# Altium PCB Sampler.PCBDOC (part 3 of 5) (continued)
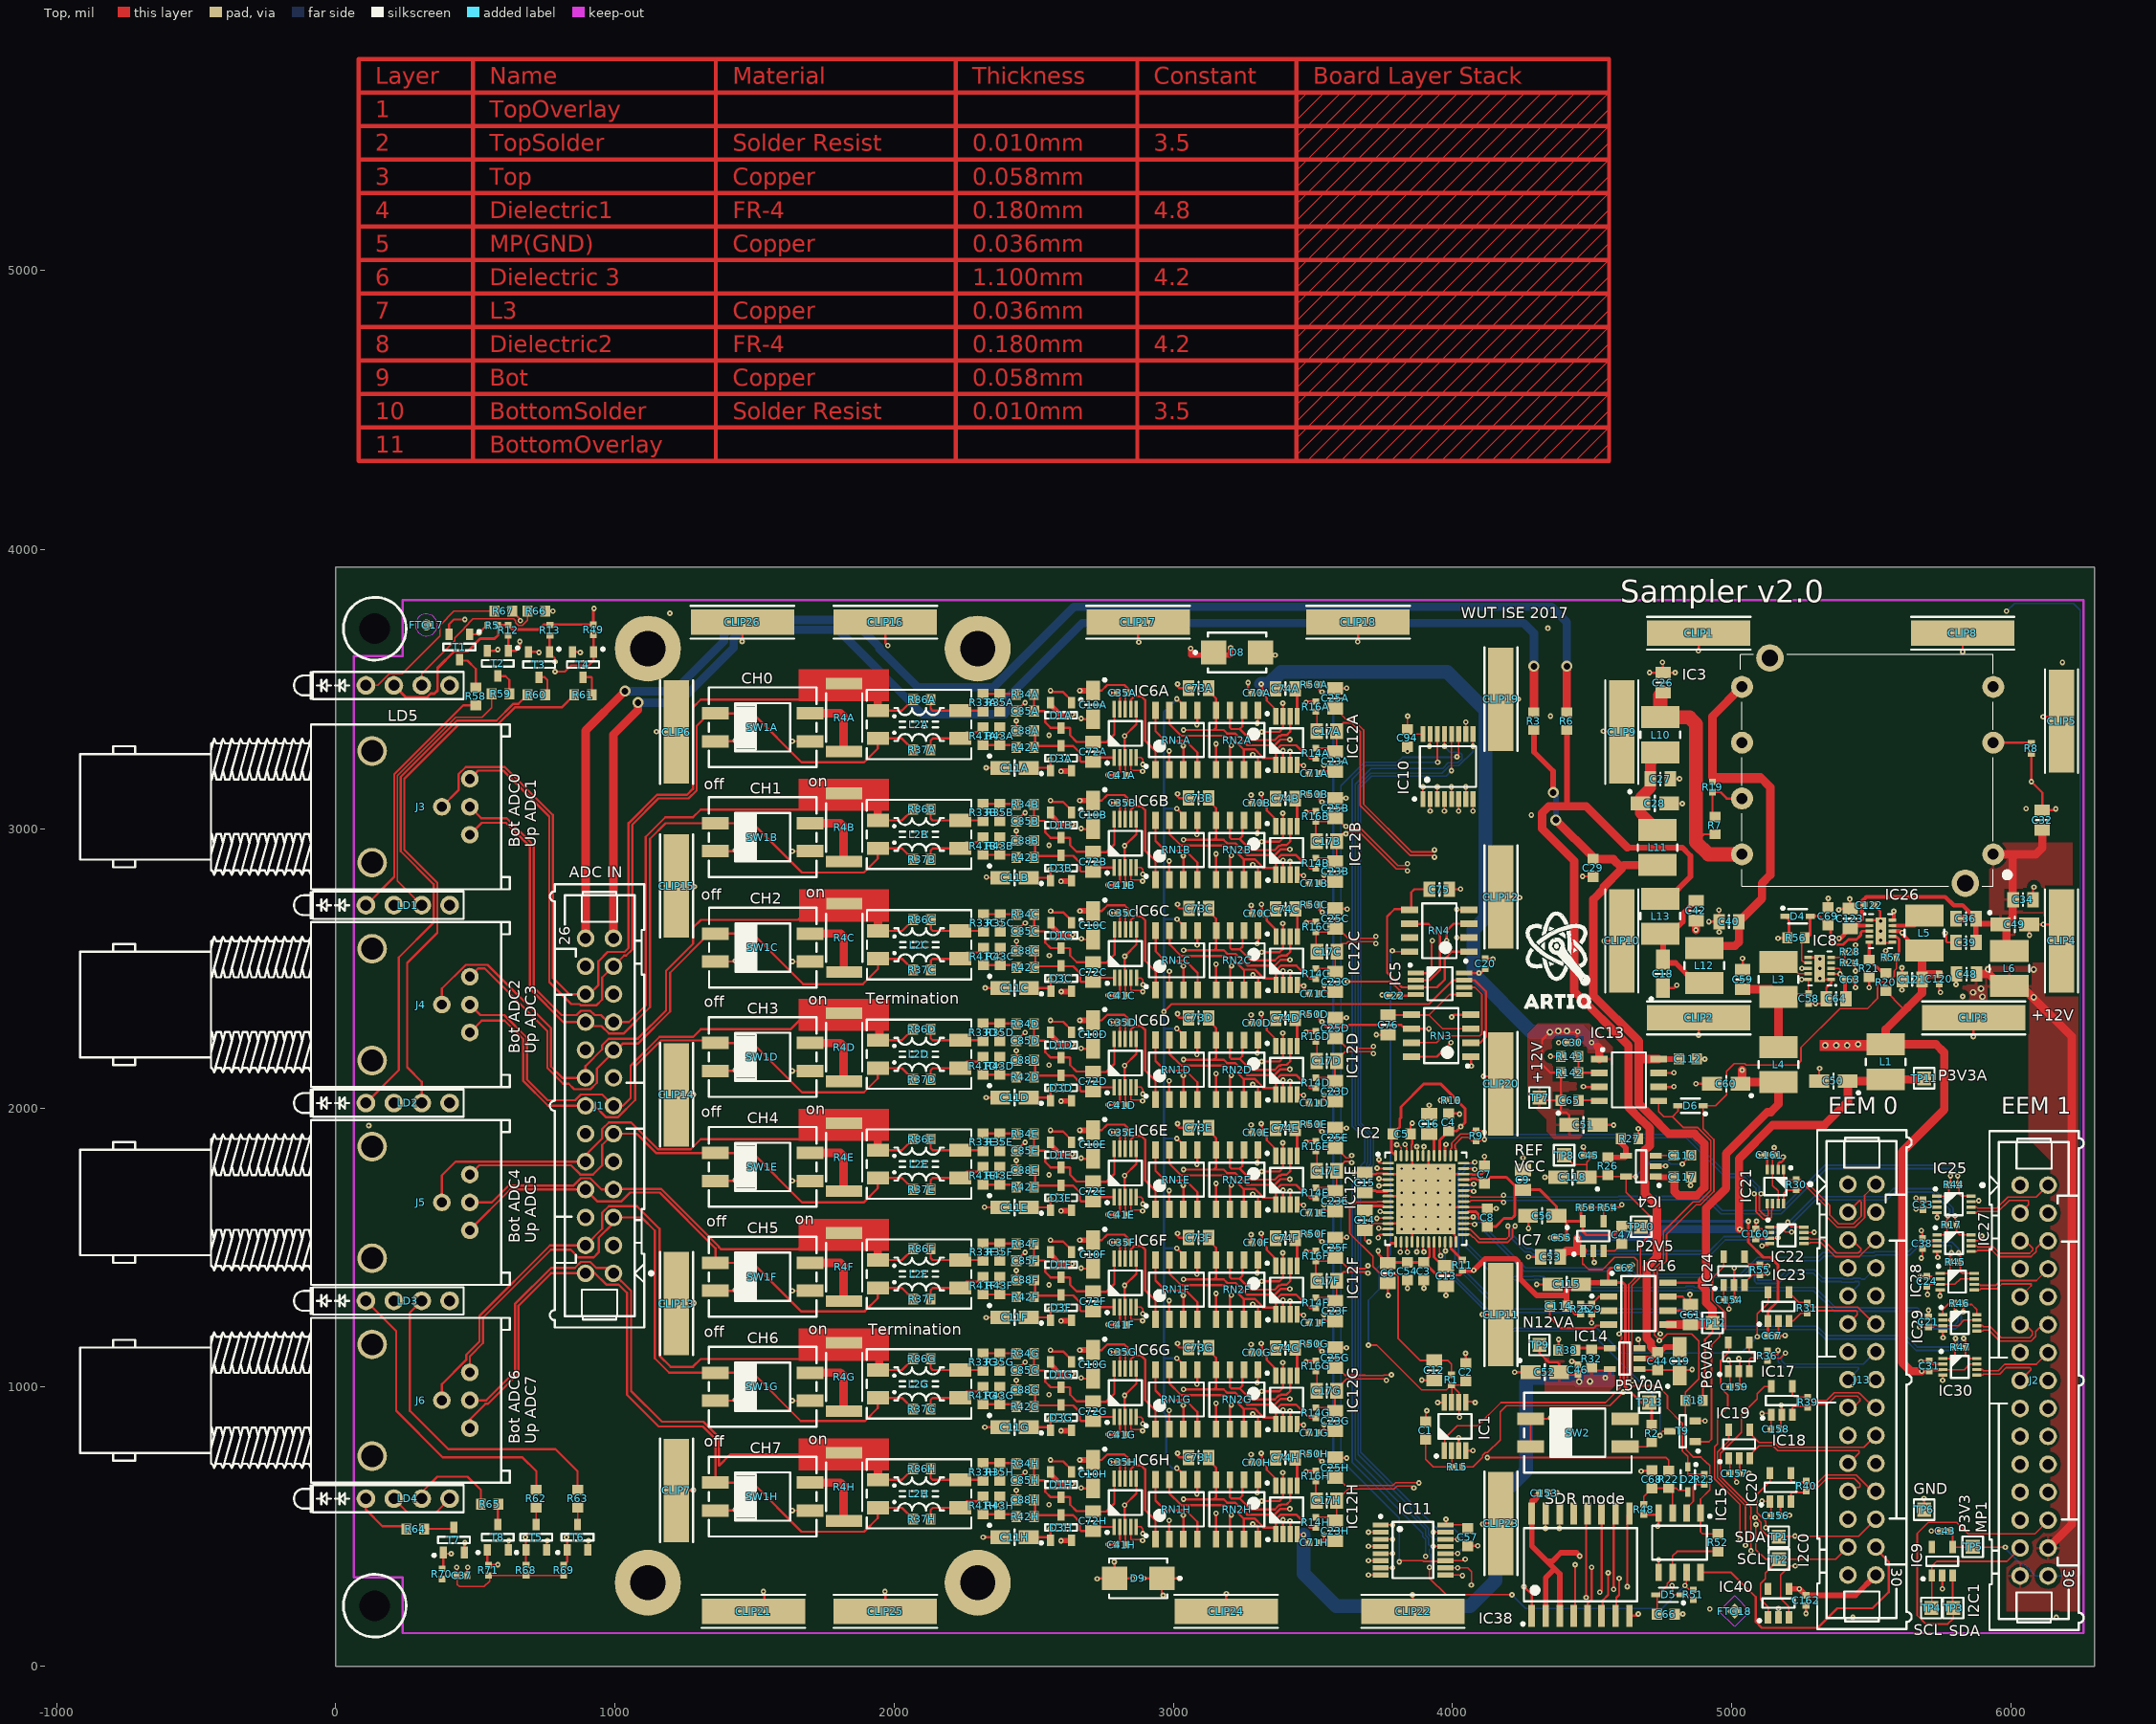
[diagram p0: Top view]
## Nets (pads, with @x,y where several pads share a name; then routed paths per layer and width w, separated by ;. In a path a pad name is that pad's centre, name@x,y a point inside that pad or via, vN(x,y) a via of type N, cw(c..) or ccw(c..) an arc to the next point about the centre after c; other vN are vias at no path point) (continued)
  Top w30: v1(4872.05,2637.8) C42.1@4872.05,2671.26 ; C36.1@5803.5,2678 v1(5833.7,2678)
  L3 w8: v1(5442.91,2583.66) v1@5442.91,2588.58
  other v1: 5433.56,175.44 6161.91,175.44 4921.75,204.97 2379.78,694.17 2469.21,695.59 4222.44,1053.15 2379.78,1087.87 2469.21,1089.29 2379.78,1481.57 2469.21,1482.99 3817.72,1566.35 3861.02,1566.35 3904.33,1566.35 3947.64,1566.35 3990.94,1566.35 3817.72,1609.66 3861.02,1609.66 3904.33,1609.66 3947.64,1609.66 3990.94,1609.66 3817.72,1652.97 3861.02,1652.97 3947.64,1652.97 3990.94,1652.97 3817.72,1696.28 3861.02,1696.28 3904.33,1696.28 3947.64,1696.28 3990.94,1696.28 3817.72,1739.58 3861.02,1739.58 3904.33,1739.58 3947.64,1739.58 3990.94,1739.58 3817.72,1782.89 3861.02,1782.89 3904.33,1782.89 3947.64,1782.89 3990.94,1782.89 2379.78,1875.27 2469.21,1876.69 118.6,1937.25 2379.78,2268.97 2469.21,2270.39 5827.27,2399.85 6116,2657.11 2380.28,2660.95 2469.71,2662.37 4281.99,3049.46 2379.78,3056.37 2469.21,3057.79 6054,3072.11 4350.89,3403.79 2379.78,3450.07 2469.21,3451.5 6184,3596.11 4341.04,3718.75 1197,3772
  other v3: 5314.96,2463.58 5314.96,2533.46
I2C0_SCL: IC38.14 IC40.1 J13.27 TP2.1 | length 1472.8
  Top w5: v1(4382.87,494.09) 4383.66,494.88 IC38.14@4383.66,547.24 ; v1(5086.61,507.87) 5086.61,418.31 5121.92,383 TP2.1@5169,383 ; IC40.1@5129.92,175.2 5129.92,212.6 5102.36,240.16 5102.36,296.26 5120.08,313.98 5120.08,334.08 TP2.1@5169,383 ; J13.27@5416,427 5372,383 TP2.1@5169,383
  L3 w5: v1(4382.87,494.09) 4717.6,494.09 4727.07,484.63 4947.22,484.63 4974.57,511.97 5040.2,511.97 5043.31,508.86 5085.63,508.86 v1(5086.61,507.87)
I2C0_SDA: IC38.15 IC40.3 J13.26 TP1.1 | length 1669.9
  Top w5: v1(4332.68,494.09) 4333.66,495.08 IC38.15@4333.66,547.24 ; v1(5083.58,532.56) 5087.52,532.56 5099.41,520.67 5099.41,519.6 5103.96,515.06 5103.96,490.61 5130.57,464 TP1.1@5168,464 5168,466 5455,466 J13.26@5516,527 ; IC40.3@5204.73,175.2 5204.73,213.58 5175.2,243.11 5175.2,326.77 5207.68,359.25 v1(5227.36,359.25)
  L3 w5: v1(4332.68,494.09) 4336.61,494.09 4361.83,519.31 4741.44,519.31 4743.03,517.72 4966.17,517.72 4973.67,525.22 5086.24,525.22 5083.58,527.87 v1(5083.58,532.56) ; v1(5226.38,466.54) 5227.36,465.55 v1(5227.36,359.25)
I2C1_SCL: IC9.1 J2.27 TP4.1 | length 493.6
  Top w6: TP4.1@5714.57,208.66 5716.54,210.63 IC9.1@5716.54,324.8 5716.54,358.27 5734.25,375.98 5985.04,375.98 J2.27@6032.68,423.62
I2C1_SDA: IC9.3 J2.26 TP3.1 | length 1121.8
  Top w6: IC9.3@5791.34,324.8 5791.34,210.63 TP3.1@5793.31,208.66 5793.31,171.26 5773.62,151.57 5694.88,151.57 5664.37,182.09 5664.37,476.38 5703.74,515.75 5805.12,515.75 5846.46,474.41 6085.63,474.41 6132.68,521.46 J2.26@6132.68,523.62
IN_0_N: C17A.2 C23A.2 IC2.47 R14A.2 | length 2010.5
  Top w6: R14A.2@3510.2,3289.22 3566.5,3289.22 C23A.2@3579.1,3276.62 3585.01,3282.53 C17A.2@3585.01,3349.46 3585.01,3356.66 3608.27,3379.92 3638.34,3379.92 3669.29,3348.97 3669.29,3083.66 3847.44,2905.51 3928.2,2905.51 v1(3935.04,2898.67) ; IC2.47@3894.49,1829.15 3894.49,1858.22 v1(3897.49,1861.22)
  L3 w6: v1(3897.49,1861.22) 3890.65,1868.06 3890.65,2261.17 3865.77,2286.04 3865.77,2665.97 3876.17,2676.37 3876.17,2875.98 3905.7,2905.51 3928.2,2905.51 v1(3935.04,2898.67)
IN_0_P: C17A.1 C25A.1 IC2.48 R16A.2 | length 2032.5
  Top w6: C17A.1@3514.14,3349.46 3514.14,3415.6 R16A.2@3510.2,3419.54 3522.8,3432.13 C25A.1@3579.1,3432.13 3619.31,3391.92 3643.31,3391.92 3681.29,3353.94 3681.29,3088.63 3852.41,2917.51 3928.2,2917.51 v1(3935.04,2924.35) ; v1(3871.8,1861.22) 3874.8,1858.22 IC2.48@3874.8,1829.15
  L3 w6: v1(3871.8,1861.22) 3878.65,1868.06 3878.65,2256.2 3857.28,2277.56 3853.77,2281.07 3853.77,2670.94 3857.28,2674.45 3864.17,2681.34 3864.17,2880.95 3900.73,2917.51 3928.2,2917.51 v1(3935.04,2924.35)
IN_1_N: C17B.2 C23B.2 IC2.50 R14B.2 | length 1551.6
  Top w6: R14B.2@3510.2,2895.52 3566.5,2895.52 C23B.2@3579.1,2882.92 3585.01,2888.83 C17B.2@3585.01,2955.76 3607.28,2978.03 3607.28,2984.25 3617.49,2984.25 3618.29,2983.45 v1(3618.29,2982.43) 3625.5,2989.64 3665.35,2989.64 3798.7,2856.3 3831.74,2856.3 v1(3838.58,2849.46) ; v1(3829.72,1869.5) 3829.72,1863.93 3835.43,1858.22 IC2.50@3835.43,1829.15
  L3 w6: v1(3829.72,1869.5) 3829.72,1872.05 3820.87,1880.91 3820.87,1901.68 3831.59,1912.4 3831.59,2248.37 3814.54,2265.42 3814.54,2854.89 3815.94,2856.3 3831.74,2856.3 v1(3838.58,2849.46)
IN_1_P: C17B.1 C25B.1 IC2.51 R16B.2 | length 1576.6
  Top w6: C17B.1@3514.14,2955.76 3510.2,2959.69 R16B.2@3510.2,3025.83 3560.28,3025.83 3572.88,3038.43 C25B.1@3579.1,3038.43 3586.57,3038.43 3614.17,3010.83 3616.5,3010.83 v1(3618.47,3008.86) 3625.69,3001.64 3670.32,3001.64 3803.67,2868.3 3831.74,2868.3 v1(3838.58,2875.14) ; v1(3800.2,1868.11) 3805.86,1868.11 3810.88,1863.09 3810.88,1861.7 3815.75,1856.83 IC2.51@3815.75,1829.15
  L3 w6: v1(3800.2,1868.11) 3808.87,1876.78 3808.87,1906.65 3819.59,1917.37 3819.59,2243.4 3802.54,2260.45 3802.54,2859.86 3810.97,2868.3 3831.74,2868.3 v1(3838.58,2875.14)
IN_2_N: C17C.2 C23C.2 IC2.1 R14C.2 | length 1252
  Top w6: R14C.2@3510.7,2500.09 3567,2500.09 C23C.2@3579.6,2487.5 3579.6,2554.43 C17C.2@3585.5,2560.33 3585.5,2571.72 3602.36,2588.58 3618.97,2588.58 3626.25,2595.87 3718.55,2595.87 v1(3725.39,2589.03) ; v1(3736.22,1814.96) 3736.22,1803.61 3736.45,1803.38 3737.32,1803.38 3738.12,1802.57 IC2.1@3769.49,1802.57
  L3 w6: v1(3725.39,2589.03) 3732.24,2595.87 3749.02,2595.87 3750.98,2593.9 3750.98,2433.82 3767.72,2417.08 3767.72,2389.76 3758.86,2380.91 3755.34,2377.39 3755.34,1854.97 3777.62,1832.69 3777.62,1810.71 3765.65,1798.73 3746.06,1798.73 3742.22,1802.57 3738.12,1802.57 3737.32,1803.38 3736.45,1803.38 3736.22,1803.61 v1(3736.22,1814.96)
IN_2_P: C17C.1 C25C.1 IC2.2 R16C.2 | length 1281
  Top w6: C17C.1@3514.64,2560.33 3510.7,2564.27 R16C.2@3510.7,2630.41 3567,2630.41 C25C.1@3579.6,2643.01 3591.12,2643.01 3626.25,2607.87 3718.55,2607.87 v1(3725.39,2614.71) ; v1(3729.51,1784.54) 3735.61,1784.54 3737.25,1782.89 IC2.2@3769.49,1782.89
  L3 w6: v1(3725.39,2614.71) 3732.24,2607.87 3753.99,2607.87 3762.98,2598.87 3762.98,2438.79 3779.72,2422.06 3779.72,2384.79 3767.34,2372.42 3767.34,1859.94 3789.69,1837.6 3789.69,1805.8 3770.62,1786.73 3741.09,1786.73 3737.25,1790.57 3730.45,1783.77 3729.68,1784.54 v1(3729.51,1784.54)
IN_3_N: C17D.2 C23D.2 IC2.4 R14D.2 | length 851.6
  Top w6: R14D.2@3510.2,2108.12 3566.5,2108.12 C23D.2@3579.1,2095.52 3579.1,2162.45 C17D.2@3585.01,2168.35 3585.01,2171.62 3614.97,2201.58 3709.69,2201.58 v1(3716.54,2194.74) ; v1(3736.22,1746.52) 3739.22,1743.52 IC2.4@3769.49,1743.52
  L3 w6: v1(3716.54,2194.74) 3709.69,2201.58 3708.66,2201.58 3695.87,2188.79 3695.87,1745.58 3701.77,1739.68 3729.38,1739.68 v1(3736.22,1746.52)
IN_3_P: C17D.1 C25D.1 IC2.5 R16D.2 | length 893.5
  Top w6: C17D.1@3514.14,2168.35 3514.14,2234.5 R16D.2@3510.2,2238.43 3522.8,2251.03 C25D.1@3579.1,2251.03 3584.6,2251.03 3622.05,2213.58 3709.69,2213.58 v1(3716.54,2220.43) ; v1(3736.22,1720.83) 3739.22,1723.83 IC2.5@3769.49,1723.83
  L3 w6: v1(3716.54,2220.43) 3709.69,2213.58 3703.69,2213.58 3683.87,2193.76 3683.87,1740.61 3696.8,1727.68 3729.38,1727.68 v1(3736.22,1720.83)
IN_4_N: C17E.2 C23E.2 IC2.10 R14E.2 | length 513.1
  Top w6: R14E.2@3510.2,1714.42 3566.5,1714.42 C23E.2@3579.1,1701.82 3585.01,1707.72 C17E.2@3585.01,1774.65 3585.01,1778.91 3614.17,1808.07 ; 3613.14,1808.07 3614.17,1808.07 ; v1(3638.78,1804.18) 3634.89,1808.07 3614.17,1808.07
  L3 w6: v1(3638.78,1804.18) 3631.94,1811.02 3617.13,1811.02 3600.27,1794.17 3600.27,1735.87 3707.12,1629.02 v1(3740.34,1629.02)
IN_4_P: C17E.1 C25E.1 IC2.11 R16E.2 | length 590.6
  Top w6: C17E.1@3514.14,1774.65 3514.14,1840.8 R16E.2@3510.2,1844.73 3522.8,1857.33 C25E.1@3579.1,1857.33 3583.61,1857.33 3619.09,1821.85 3619.09,1820.87 3628.82,1820.87 3637.82,1829.87 v1(3638.78,1829.87) ; v1(3728.53,1604.41) 3729.84,1605.72 IC2.11@3769.49,1605.72
  L3 w6: v1(3638.78,1829.87) 3631.94,1823.02 3612.16,1823.02 3588.27,1799.14 3588.27,1730.9 3709.6,1609.57 3713.58,1609.57 3718.74,1604.41 v1(3728.53,1604.41)
IN_5_N: C17F.2 C23F.2 IC2.13 R14F.2 | length 586.1
  Top w6: R14F.2@3510.2,1320.72 3566.5,1320.72 C23F.2@3579.1,1308.12 3585.01,1314.02 C17F.2@3585.01,1380.95 3585.01,1389.14 3608.08,1412.21 3690.99,1412.21 3692.17,1413.39 v1(3697.03,1408.53) ; v1(3735.24,1569.35) 3738.24,1566.35 IC2.13@3769.49,1566.35
  L3 w6: v1@3692.17,1413.39 3693.95,1415.17 3747.1,1415.17 3789.56,1457.63 3789.56,1547.41 3774.46,1562.51 3742.08,1562.51 v1(3735.24,1569.35)
IN_5_P: C17F.1 C25F.1 IC2.14 R16F.2 | length 564.2
  Top w6: C17F.1@3514.14,1380.95 3510.2,1384.89 R16F.2@3510.2,1451.03 3566.5,1451.03 C25F.1@3579.1,1463.63 3587.55,1463.63 3626.97,1424.21 3686.02,1424.21 v1(3696.85,1435.04) ; v1(3734.25,1535.43) 3734.25,1542.69 3738.24,1546.67 IC2.14@3769.49,1546.67
  L3 w6: v1(3696.85,1435.04) 3702.76,1435.04 3710.63,1427.17 3742.13,1427.17 3777.56,1462.6 3777.56,1542.44 3769.49,1550.51 3742.08,1550.51 3734.25,1542.69 v1(3734.25,1535.43)
IN_6_N: C17G.2 C23G.2 IC2.16 R14G.2 | length 888.4
  Top w6: R14G.2@3510.2,927.02 3566.5,927.02 C23G.2@3579.1,914.42 3579.1,981.35 C17G.2@3585.01,987.25 3585.01,993.47 3620.87,1029.34 3687.99,1029.34 3688.48,1029.83 3757.8,1029.83 v1(3762.98,1024.66) ; v1(3812.75,1483.27) 3815.75,1486.27 IC2.16@3815.75,1520.09
  L3 w6: v1(3762.98,1024.66) 3762.98,1034.87 3748.83,1049.02 3745.31,1052.54 3745.31,1106.53 3748.83,1110.05 3790.17,1151.39 3790.17,1374.24 3819.59,1403.67 3819.59,1476.43 v1(3812.75,1483.27)
IN_6_P: C17G.1 C25G.1 IC2.17 R16G.2 | length 886.4
  Top w6: C17G.1@3514.14,987.25 3514.14,1053.39 R16G.2@3510.2,1057.33 3522.8,1069.93 C25G.1@3579.1,1069.93 3587.55,1069.93 3615.16,1042.32 3687.99,1042.32 3688.48,1041.83 3752.95,1041.83 3754.62,1043.5 3779.85,1043.5 v1(3780.7,1044.34) ; IC2.17@3835.43,1520.09 3835.43,1486.27 v1(3838.43,1483.27)
  L3 w6: v1(3780.7,1044.34) 3770.48,1044.34 3757.31,1057.51 3757.31,1101.56 3802.17,1146.42 3802.17,1369.27 3831.59,1398.7 3831.59,1476.43 v1(3838.43,1483.27)
IN_7_N: C17H.2 C23H.2 IC2.19 R14H.2 | length 1381.1
  Top w6: R14H.2@3510.2,533.31 3566.5,533.31 C23H.2@3579.1,520.72 3585.01,526.62 C17H.2@3585.01,593.55 3626.56,635.11 3790.86,635.11 3801.37,645.62 3854.38,645.62 v1(3861.22,638.78) ; v1(3871.8,1484.25) 3874.8,1487.25 IC2.19@3874.8,1520.09
  L3 w6: v1(3861.22,638.78) 3861.22,648.46 3814.77,694.91 3814.77,1013.59 3857.09,1055.91 3857.09,1390.56 3878.65,1412.11 3878.65,1477.41 v1(3871.8,1484.25)
IN_7_P: C17H.1 C25H.1 IC2.20 R16H.2 | length 1384
  Top w6: C17H.1@3514.14,593.55 3510.2,597.49 R16H.2@3510.2,663.63 3522.8,676.23 C25H.1@3579.1,676.23 3582.1,673.23 3590.55,673.23 3616.67,647.11 3785.89,647.11 3796.4,657.62 3869.03,657.62 3869.71,656.94 v1(3879.38,656.94) ; IC2.20@3894.49,1520.09 3894.49,1487.25 v1(3897.49,1484.25)
  L3 w6: v1(3879.38,656.94) 3869.71,656.94 3826.77,699.88 3826.77,1008.62 3869.09,1050.94 3869.09,1385.59 3890.65,1407.14 3890.65,1477.41 v1(3897.49,1484.25)
N12V0A: C11A.2 C11B.2 C11C.2 C11D.2 C11E.2 C11F.2 C11G.2 C11H.2 C22.2 C41A.2 C41B.2 C41C.2 C41D.2 C41E.2 C41F.2 C41G.2 C41H.2 C46.2 C52.2 C71A.2 C71B.2 C71C.2 C71D.2 C71E.2 C71F.2 C71G.2 C71H.2 D1A.1 D1B.1 D1C.1 D1D.1 D1E.1 D1F.1 D1G.1 D1H.1 D3A.1 D3B.1 D3C.1 D3D.1 D3E.1 D3F.1 D3G.1 D3H.1 D9.2 IC5.4 IC6A.3 IC6A.6 IC6B.3 IC6B.6 IC6C.3 IC6C.6 IC6D.3 IC6D.6 IC6E.3 IC6E.6 IC6F.3 IC6F.6 IC6G.3 IC6G.6 IC6H.3 IC6H.6 IC12A.4 IC12B.4 IC12C.4 IC12D.4 IC12E.4 IC12F.4 IC12G.4 IC12H.4 IC14.5 R32.2 TP9.1 | length 9462.5
  Top w8: C11H.2@2482.28,462.6 2549.82,462.6 D3H.1@2560.6,451.82 2560.6,491.19 v1(2559.06,492.73) ; C11G.2@2482.28,856.3 2549.82,856.3 D3G.1@2560.6,845.52 2560.6,884.89 v1(2559.06,886.43) ; C11F.2@2482.28,1250 2549.82,1250 D3F.1@2560.6,1239.22 2560.6,1278.59 v1(2559.06,1280.13) ; C11E.2@2482.28,1643.7 2549.82,1643.7 D3E.1@2560.6,1632.92 2560.6,1672.29 v1(2559.06,1673.83) ; C11D.2@2482.28,2037.4 2549.82,2037.4 D3D.1@2560.6,2026.62 2560.6,2065.99 v1(2559.06,2067.54) ; C11B.2@2482.28,2824.8 2549.82,2824.8 D3B.1@2560.6,2814.02 2560.6,2853.39 v1(2559.06,2854.94) ; C11A.2@2482.28,3218.5 2549.82,3218.5 D3A.1@2560.6,3207.72 2560.6,3247.09 v1(2559.06,3248.64) ; C11C.2@2482.78,2429.38 2550.31,2429.38 D3C.1@2561.09,2418.6 2561.09,2457.97 v1(2559.55,2459.51) ; v1(2560,739.09) 2565,734.09 2605,734.09 2635.4,703.69 D1H.1@2635.4,699.24 ; v1(2560,1132.8) 2565,1127.8 2605,1127.8 2635.4,1097.39 D1G.1@2635.4,1092.95 ; v1(2560,1526.5) 2565,1521.5 2605,1521.5 2635.4,1491.09 D1F.1@2635.4,1486.65 ; v1(2560,1920.2) 2565,1915.2 2605,1915.2 2635.4,1884.79 D1E.1@2635.4,1880.35 ; v1(2560,2313.9) 2565,2308.9 2605,2308.9 2635.4,2278.5 D1D.1@2635.4,2274.05 ; v1(2560,3101.3) 2565,3096.3 2605,3096.3 2635.4,3065.9 D1B.1@2635.4,3061.45 ; v1(2560,3495) 2565,3490 2605,3490 2635.4,3459.6 D1A.1@2635.4,3455.15 ; v1(2560.49,2705.87) 2565.49,2700.87 2605.49,2700.87 2635.9,2670.47 D1C.1@2635.9,2666.03 ; D1H.1@2635.4,696.37 D1H.1@2635.4,699.24 ; D1G.1@2635.4,1090.07 D1G.1@2635.4,1092.95 ; D1F.1@2635.4,1483.77 D1F.1@2635.4,1486.65 ; D1E.1@2635.4,1877.47 D1E.1@2635.4,1880.35 ; D1D.1@2635.4,2271.17 D1D.1@2635.4,2274.05 ; D1B.1@2635.4,3058.57 D1B.1@2635.4,3061.45 ; D1A.1@2635.4,3452.28 D1A.1@2635.4,3455.15 ; D1C.1@2635.9,2663.15 D1C.1@2635.9,2666.03 ; D1H.1@2638.23,701.09 2635.89,698.76 D1H.1@2635.4,699.24 ; D1G.1@2638.23,1094.8 2635.89,1092.46 D1G.1@2635.4,1092.95 ; D1F.1@2638.23,1488.5 2635.89,1486.16 D1F.1@2635.4,1486.65 ; D1E.1@2638.23,1882.2 2635.89,1879.86 D1E.1@2635.4,1880.35 ; D1D.1@2638.23,2275.9 2635.89,2273.56 D1D.1@2635.4,2274.05 ; D1B.1@2638.23,3063.3 2635.89,3060.96 D1B.1@2635.4,3061.45 ; D1A.1@2638.23,3457 2635.89,3454.66 D1A.1@2635.4,3455.15 ; D1C.1@2638.72,2667.87 2636.38,2665.54 D1C.1@2635.9,2666.03 ; v1(2726.87,313.24) 2728.59,314.96 D9.2@2789.37,314.96 ; v1(2788.39,374.02) 2788.39,375 2789.37,374.02 D9.2@2789.37,314.96 ; C41H.2@2825.64,441.66 C41H.2@2828,439.3 ; C41G.2@2825.64,835.36 C41G.2@2828,833 ; C41F.2@2825.64,1229.06 C41F.2@2828,1226.7 ; C41E.2@2825.64,1622.76 C41E.2@2828,1620.4 ; C41D.2@2825.64,2016.47 C41D.2@2828,2014.1 ; C41B.2@2825.64,2803.87 C41B.2@2828,2801.5 ; C41A.2@2825.64,3197.57 C41A.2@2828,3195.2 ; C41C.2@2826.13,2408.44 C41C.2@2828.49,2406.08 ; C41H.2@2831.54,435.76 C41H.2@2828,439.3 ; C41G.2@2831.54,829.46 C41G.2@2828,833 ; C41F.2@2831.54,1223.16 C41F.2@2828,1226.7 ; C41E.2@2831.54,1616.86 C41E.2@2828,1620.4 ; C41D.2@2831.54,2010.56 C41D.2@2828,2014.1 ; C41B.2@2831.54,2797.96 C41B.2@2828,2801.5 ; C41A.2@2831.54,3191.66 C41A.2@2828,3195.2 ; C41C.2@2832.04,2402.54 C41C.2@2828.49,2406.08 ; v1(2854.33,314.96) D9.2@2789.37,314.96 ; IC6H.6@2867.37,672.71 2867.37,618.76 v1(2825.64,577.02) 2825.64,544.09 2826.1,543.63 2826.1,501.38 IC6H.3@2828,499.48 C41H.2@2828,439.3 ; IC6G.6@2867.37,1066.41 2867.37,1012.46 v1(2825.64,970.72) 2825.64,937.8 2826.1,937.33 2826.1,895.08 IC6G.3@2828,893.18 C41G.2@2828,833 ; IC6F.6@2867.37,1460.11 2867.37,1406.16 v1(2825.64,1364.42) 2825.64,1331.5 2826.1,1331.03 2826.1,1288.78 IC6F.3@2828,1286.88 C41F.2@2828,1226.7 ; IC6E.6@2867.37,1853.81 2867.37,1799.86 v1(2825.64,1758.12) 2825.64,1725.2 2826.1,1724.73 2826.1,1682.48 IC6E.3@2828,1680.58 C41E.2@2828,1620.4 ; IC6D.6@2867.37,2247.51 2867.37,2193.56 v1(2825.64,2151.83) 2825.64,2118.9 2826.1,2118.43 2826.1,2076.18 IC6D.3@2828,2074.28 C41D.2@2828,2014.1 ; IC6B.6@2867.37,3034.92 2867.37,2980.96 v1(2825.64,2939.23) 2825.64,2906.3 2826.1,2905.84 2826.1,2863.59 IC6B.3@2828,2861.69 C41B.2@2828,2801.5 ; IC6A.6@2867.37,3428.61 2867.37,3374.66 v1(2825.64,3332.93) 2825.64,3300 2826.1,3299.54 2826.1,3257.29 IC6A.3@2828,3255.39 C41A.2@2828,3195.2 ; IC6C.6@2867.86,2639.49 2867.86,2585.54 v1(2826.13,2543.8) 2826.13,2510.87 2826.59,2510.41 2826.59,2468.16 IC6C.3@2828.49,2466.26 C41C.2@2828.49,2406.08 ; IC12H.4@3443.9,473.57 3463.44,473.57 v1(3466.54,470.47) 3466.54,462.6 C71H.2@3486.22,442.91 ; IC12G.4@3443.9,867.27 3463.44,867.27 v1(3466.54,864.17) 3466.54,856.3 C71G.2@3486.22,836.61 ; IC12F.4@3443.9,1260.97 3463.44,1260.97 v1(3466.54,1257.87) 3466.54,1250 C71F.2@3486.22,1230.31 ; IC12E.4@3443.9,1654.67 3463.44,1654.67 v1(3466.54,1651.57) 3466.54,1643.7 C71E.2@3486.22,1624.02 ; IC12D.4@3443.9,2048.37 3463.44,2048.37 v1(3466.54,2045.28) 3466.54,2037.4 C71D.2@3486.22,2017.72 ; IC12B.4@3443.9,2835.77 3463.44,2835.77 v1(3466.54,2832.68) 3466.54,2824.8 C71B.2@3486.22,2805.12 ; IC12A.4@3443.9,3229.47 3463.44,3229.47 v1(3466.54,3226.38) 3466.54,3218.5 C71A.2@3486.22,3198.82 ; IC12C.4@3444.39,2440.35 3463.93,2440.35 v1(3467.03,2437.25) 3467.03,2429.38 C71C.2@3486.71,2409.69 ; v1(3623.03,2452.76) 3779.53,2452.76 3811.02,2421.26 3810.04,2420.28 C22.2@3810.04,2402.56 3864.17,2402.56 IC5.4@3868.11,2406.5 ; TP9.1@4311.02,1151.57 4311.02,1122.05 4344.49,1088.58 4375.98,1088.58 4381.89,1082.68 C52.2@4381.89,1053.15 4389.76,1045.28 C46.2@4448.82,1045.28 4463.05,1059.5 4552.53,1059.5 IC14.5@4557.99,1064.96
  L3 w8: v1(2555,579.09) 2557.07,577.02 v1(2825.64,577.02) ; v1(2555,972.8) 2557.07,970.72 v1(2825.64,970.72) ; v1(2555,1366.5) 2557.07,1364.42 v1(2825.64,1364.42) ; v1(2555,1760.2) 2557.07,1758.12 v1(2825.64,1758.12) ; v1(2555,2153.9) 2557.07,2151.83 v1(2825.64,2151.83) ; v1(2555,2941.3) 2557.07,2939.23 v1(2825.64,2939.23) ; v1(2555,3335) 2557.07,3332.93 v1(2825.64,3332.93) ; v1(2555.49,2545.87) 2557.57,2543.8 v1(2826.13,2543.8) ; v1(3467.03,2437.25) 3487.84,2458.06 3617.72,2458.06 v1(3623.03,2452.76)
  Bot w50: v1(3466.54,470.47) 3466.54,332.68 3583.15,216.06 4063.25,216.06 4153.54,306.36 4153.54,590.55 4263.78,700.79 4263.78,1017.72 4279.53,1033.46 v1(4547.24,1033.46)
  other v2: 4453.74,1019.69 4492.13,1020.67
N13V0: C19.2 C44.2 IC14.2 L13.2 R6.2 | length 3420.3
  Top w20: 4409.45,3080.71 R6.2@4409.45,3354.33 ; 4625.98,2933.07 4822.83,2933.07 4852.36,2903.54 4852.36,2828.74 4773.62,2750 L13.2@4744.09,2750 ; IC14.2@4669.29,1102.36 4712.6,1102.36 C44.2@4734.25,1124.02 4741.82,1124.02 4761.5,1143.7 C19.2@4812.99,1143.7 ; 4689.28,1850.08 4689.28,1855.08 4697.31,1863.1
  Top w30: 4625.98,2933.07 4478.35,3080.71 4409.45,3080.71 4344.49,3080.71 4320.87,3057.09 4320.87,3000 4435.71,2885.16 4435.71,2418.62 4629.92,2224.41 4629.92,2002.67 4676.57,1956.02 4677.72,1956.02 4706.69,1927.05 4706.69,1865.42 4700.84,1859.57 ; 4688.92,1850.08 4686.69,1847.85 4686.69,1734.83 4689.28,1732.23 4689.28,1692.61 4732.28,1649.61 4732.28,1466.21 4695.41,1429.33 4695.41,1174.41 4710.94,1158.87 4710.94,1144.73 4731.66,1124.02 C44.2@4734.25,1124.02
N13V0S: C40.2 IC3.4 L12.1 R19.1 | length 1737.4
  Top w8: L12.1@4901.58,2572.83 5003.94,2572.83 5011.81,2580.71 5019.68,2588.58 5019.68,2661.42 C40.2@5025.59,2667.32 ; R19.1@4931.1,3168.11 5106.5,3168.11 5137.8,3136.81
  Top w30: L12.1@4901.58,2572.83 4909.45,2580.71 5011.81,2580.71 ; 5019.68,2588.58 5025.59,2594.49 C40.2@5025.59,2667.32 5108.27,2750 5108.27,2805.12 5137.8,2834.65 5137.8,3136.81 5137.8,3143.21 5137.8,3149.61 5101.97,3185.43 4931.1,3185.43 4931.1,3403.15 IC3.4@5036.61,3508.66
NetC1_2: C1.2 IC1.2 R15.2 | length 239.5
  Top w5: C1.2@3904.24,813.42 3904.24,741.43 3931.76,713.91 R15.2@3998.73,713.91 3997.55,715.1 IC1.2@3997.55,775.07
NetC12_2: C12.2 IC2.8 R1.2 | length 984.7
  Top w6: IC2.8@3769.49,1664.78 3732.12,1664.78 3730.31,1662.98 3654.17,1662.98 3631.89,1640.7 3631.89,1550.82 3714.69,1468.02 3714.69,1432.94 3744.87,1402.77 3800.02,1402.77 3804.71,1398.09 3804.71,1175.61 3884.97,1095.35 C12.2@3934.24,1095.35 3983.39,1095.35 3996.24,1082.5 R1.2@3996.24,1044.42
NetC13_2: C13.2 IC2.22 | length 95.8
  Top w10: IC2.22@3933.86,1520.09 3933.86,1465.77 3949.02,1450.6 3962.55,1450.6 C13.2@3967.17,1445.98
NetC14_2: C14.2 IC2.9 | length 91.5
  Top w10: C14.2@3686.02,1633.32 3701.56,1648.86 3752.14,1648.86 3755.91,1645.09 IC2.9@3769.49,1645.09
NetC15_2: C15.2 IC2.6 | length 88.9
  Top w10: C15.2@3686.02,1697.46 3692.72,1704.15 3724.84,1704.15 3728,1700.99 3766.33,1700.99 IC2.6@3769.49,1704.15
NetC16_2: C16.2 IC2.45 | length 85.3
  Top w10: C16.2@3916.17,1907.12 3933.86,1889.43 IC2.45@3933.86,1829.15
NetC18_2: C18.2 C42.2 L12.2 L13.1 | length 472.3
  Top w20: L13.1@4744.09,2624.02 L13.1@4763.78,2624.02 ; C42.2@4872.05,2742.13 4824.8,2694.88 4824.8,2667.32 4781.5,2624.02 L13.1@4763.78,2624.02 ; L12.2@4901.58,2446.85 4872.05,2446.85 4799.21,2519.68 4765.75,2519.68 C18.2@4753.94,2531.5 4753.94,2614.17 L13.1@4763.78,2624.02
NetC27_2: C27.2 C28.1 L10.2 L11.1 | length 332.2
  Top w40: L11.1@4734.25,2996.06 4673.23,3057.09 C28.1@4673.23,3090.55 4673.23,3112.2 4708.66,3147.64 C27.2@4708.66,3179.13 4708.66,3238.19 L10.2@4744.09,3273.62
NetC32_2: C32.2 C34.2 C36.2 C39.2 C49.1 C63.2 C64.2 C122.2 C123.2 IC3.1 IC8.2 IC8.3 IC26.2 L6.2 | length 1752.4
  Top w6: IC8.2@5356.3,2480.31 v1(5387.4,2480.31) 5387.4,2496.46 5383.86,2500 IC8.3@5356.3,2500
  Top w15: v1(5383.85,2608.26) 5383.85,2603.06 C123.2@5423.94,2643.13 5433.22,2643.13 C123.2@5443.43,2653.34 ; v1(5387.4,2480.31) 5387.4,2478.74 C63.2@5405.51,2460.63 5405.51,2395.67 C64.2@5409.45,2391.73 ; IC26.2@5492.19,2653.34 C123.2@5443.43,2653.34 ; C36.2@5874.37,2678 5826.68,2725.69 5795.02,2725.69 5764.8,2755.91 5482.28,2755.91 5465.91,2739.53 5465.91,2675.82 C123.2@5443.43,2653.34
  Top w20: C39.2@5874.37,2593 C36.2@5874.37,2678 5892.26,2660.11 5951.87,2660.11 C49.1@5957.76,2666
  Top w30: IC3.1@5936.61,2908.66 6006,2908.66 ; L6.2@5984,2577.11 5984,2659.11 6006,2681.11 6006,2908.66 ; C32.2@6112.2,2996.06 6112.2,2932.31 6088.55,2908.66 6006,2908.66
  L3 w15: v1(5383.85,2608.26) 5383.85,2483.87 v1(5387.4,2480.31)
NetC47_1: C47.1 IC7.3 | length 75.6
  Top w6: IC7.3@4541.36,1488.16 4580.68,1488.16 C47.1@4606.3,1513.78
NetC65_1: C65.1 IC13.4 | length 75.7
  Top w8: C65.1@4450.79,2027.56 4523.37,2027.56 IC13.4@4525.55,2025.37
NetC66_2: C66.2 D5.2 IC15.6 R52.1 | length 411.6
  Top w5: C66.2@4732.28,187.01 4732.28,252.36 D5.2@4728.74,255.91 4735.24,255.91 4769.07,289.74 4769.07,296.55 4779.23,306.71 4786.04,306.71 4787.99,308.66 IC15.6@4787.99,336.61 4787.99,395.28 4804.13,411.42
  Top w6: 4804.13,411.42 R52.1@4950.79,411.42
NetC68_2: C68.2 D2.2 IC15.3 R22.2 R48.2 | length 298.5
  Top w6: R48.2@4685.04,579.53 4685.04,608.27 C68.2@4714.57,637.8 R22.2@4773.62,637.8 ; IC15.3@4787.99,549.21 4787.99,623.43 R22.2@4773.62,637.8 ; D2.2@4842.52,624.41 4837.01,629.92 4809.06,629.92 4801.18,637.8 R22.2@4773.62,637.8
NetC69_2: C69.2 D4.2 IC8.7 IC26.3 R56.1 | length 510.2
  Top w5: R56.1@5267.72,2608.27 5250,2590.55 5250,2529.53 5259.84,2519.68 IC8.7@5273.62,2519.68
  Top w10: R56.1@5267.72,2608.27 5281.1,2621.65 D4.2@5281.1,2687.01 5312.99,2687.01 C69.2@5344.49,2655.51 5354.33,2645.67 5354.33,2588.58 5365.64,2588.58 5368.68,2585.55 5399.04,2585.55 5417,2603.5 5446.69,2603.5 5461.5,2618.32 5461.5,2627.95 5467.2,2633.65 IC26.3@5492.19,2633.65
NetC72A_1: C72A.1 C88A.2 D3A.3 IC6A.1 R42A.2 | length 381.5
  Top w8: C88A.2@2505.43,3347.24 2505.43,3296.69 2596.42,3296.69 D3A.3@2596.66,3296.94 ; D3A.3@2598,3298.27 D3A.3@2596.66,3296.94 ; IC6A.1@2788.63,3255.39 2726.82,3255.39 C72A.1@2712,3240.57 2669.49,3240.57 2665.27,3244.79 2665.27,3272.61 2640.94,3296.94 D3A.3@2596.66,3296.94
NetC72A_2: C72A.2 C85A.2 D1A.3 IC6A.10 R34A.2 | length 532.7
  Top w8: R34A.2@2500.71,3481.97 C85A.2@2500.71,3421.97 2537.76,3421.97 2540.91,3418.81 2540.91,3381.41 2560.6,3361.72 D1A.3@2598,3361.72 2628.28,3361.72 2630,3360 2630,3335 2653.57,3311.43 C72A.2@2712,3311.43 2713.43,3310 2760,3310 2788.63,3338.63 IC6A.10@2788.63,3428.61
NetC72B_1: C72B.1 C88B.2 D3B.3 IC6B.1 R42B.2 | length 381.5
  Top w8: C88B.2@2505.43,2953.54 2505.43,2902.99 2596.42,2902.99 D3B.3@2596.66,2903.24 ; D3B.3@2598,2904.57 D3B.3@2596.66,2903.24 ; IC6B.1@2788.63,2861.69 2726.82,2861.69 C72B.1@2712,2846.87 2669.49,2846.87 2665.27,2851.08 2665.27,2878.91 2640.94,2903.24 D3B.3@2596.66,2903.24
NetC72B_2: C72B.2 C85B.2 D1B.3 IC6B.10 R34B.2 | length 532.7
  Top w8: R34B.2@2500.71,3088.27 C85B.2@2500.71,3028.27 2537.76,3028.27 2540.91,3025.11 2540.91,2987.71 2560.6,2968.02 D1B.3@2598,2968.02 2628.28,2968.02 2630,2966.3 2630,2941.3 2653.57,2917.73 C72B.2@2712,2917.73 2713.43,2916.3 2760,2916.3 2788.63,2944.93 IC6B.10@2788.63,3034.92
NetC72C_1: C72C.1 C88C.2 D3C.3 IC6C.1 R42C.2 | length 381.5
  Top w8: C88C.2@2505.93,2558.12 2505.93,2507.57 2596.91,2507.57 D3C.3@2597.16,2507.81 ; D3C.3@2598.49,2509.15 D3C.3@2597.16,2507.81 ; IC6C.1@2789.12,2466.26 2727.31,2466.26 C72C.1@2712.49,2451.44 2669.98,2451.44 2665.76,2455.66 2665.76,2483.48 2641.43,2507.81 D3C.3@2597.16,2507.81
NetC72C_2: C72C.2 C85C.2 D1C.3 IC6C.10 R34C.2 | length 532.7
  Top w8: R34C.2@2501.2,2692.84 C85C.2@2501.2,2632.84 2538.25,2632.84 2541.41,2629.69 2541.41,2592.29 2561.09,2572.6 D1C.3@2598.49,2572.6 2628.77,2572.6 2630.49,2570.87 2630.49,2545.87 2654.06,2522.31 C72C.2@2712.49,2522.31 2713.93,2520.87 2760.49,2520.87 2789.12,2549.5 IC6C.10@2789.12,2639.49
NetC72D_1: C72D.1 C88D.2 D3D.3 IC6D.1 R42D.2 | length 381.5
  Top w8: C88D.2@2505.43,2166.14 2505.43,2115.59 2596.42,2115.59 D3D.3@2596.66,2115.83 ; D3D.3@2598,2117.17 D3D.3@2596.66,2115.83 ; IC6D.1@2788.63,2074.28 2726.82,2074.28 C72D.1@2712,2059.46 2669.49,2059.46 2665.27,2063.68 2665.27,2091.5 2640.94,2115.83 D3D.3@2596.66,2115.83
NetC72D_2: C72D.2 C85D.2 D1D.3 IC6D.10 R34D.2 | length 532.7
  Top w8: R34D.2@2500.71,2300.87 C85D.2@2500.71,2240.87 2537.76,2240.87 2540.91,2237.71 2540.91,2200.31 2560.6,2180.62 D1D.3@2598,2180.62 2628.28,2180.62 2630,2178.9 2630,2153.9 2653.57,2130.33 C72D.2@2712,2130.33 2713.43,2128.9 2760,2128.9 2788.63,2157.53 IC6D.10@2788.63,2247.51
NetC72E_1: C72E.1 C88E.2 D3E.3 IC6E.1 R42E.2 | length 381.5
  Top w8: C88E.2@2505.43,1772.44 2505.43,1721.89 2596.42,1721.89 D3E.3@2596.66,1722.13 ; D3E.3@2598,1723.47 D3E.3@2596.66,1722.13 ; IC6E.1@2788.63,1680.58 2726.82,1680.58 C72E.1@2712,1665.76 2669.49,1665.76 2665.27,1669.98 2665.27,1697.8 2640.94,1722.13 D3E.3@2596.66,1722.13
NetC72E_2: C72E.2 C85E.2 D1E.3 IC6E.10 R34E.2 | length 532.7
  Top w8: R34E.2@2500.71,1907.17 C85E.2@2500.71,1847.17 2537.76,1847.17 2540.91,1844.01 2540.91,1806.61 2560.6,1786.92 D1E.3@2598,1786.92 2628.28,1786.92 2630,1785.2 2630,1760.2 2653.57,1736.63 C72E.2@2712,1736.63 2713.43,1735.2 2760,1735.2 2788.63,1763.83 IC6E.10@2788.63,1853.81
NetC72F_1: C72F.1 C88F.2 D3F.3 IC6F.1 R42F.2 | length 381.5
  Top w8: C88F.2@2505.43,1378.74 2505.43,1328.19 2596.42,1328.19 D3F.3@2596.66,1328.43 ; D3F.3@2598,1329.77 D3F.3@2596.66,1328.43 ; IC6F.1@2788.63,1286.88 2726.82,1286.88 C72F.1@2712,1272.06 2669.49,1272.06 2665.27,1276.28 2665.27,1304.1 2640.94,1328.43 D3F.3@2596.66,1328.43
NetC72F_2: C72F.2 C85F.2 D1F.3 IC6F.10 R34F.2 | length 532.7
  Top w8: R34F.2@2500.71,1513.47 C85F.2@2500.71,1453.47 2537.76,1453.47 2540.91,1450.31 2540.91,1412.91 2560.6,1393.22 D1F.3@2598,1393.22 2628.28,1393.22 2630,1391.5 2630,1366.5 2653.57,1342.93 C72F.2@2712,1342.93 2713.43,1341.5 2760,1341.5 2788.63,1370.13 IC6F.10@2788.63,1460.11
NetC72G_1: C72G.1 C88G.2 D3G.3 IC6G.1 R42G.2 | length 381.5
  Top w8: C88G.2@2505.43,985.04 2505.43,934.49 2596.42,934.49 D3G.3@2596.66,934.73 ; D3G.3@2598,936.07 D3G.3@2596.66,934.73 ; IC6G.1@2788.63,893.18 2726.82,893.18 C72G.1@2712,878.36 2669.49,878.36 2665.27,882.58 2665.27,910.4 2640.94,934.73 D3G.3@2596.66,934.73